# Altium PCB CF_PCB.PcbDoc (part 2 of 2)
Units mil, origin at the board's own origin, x right, y up, seen from the top; angles counter-clockwise.
Board outline 2995 x 2700 mil, 10 copper layers (S1, GND1, S2, GND2, 1V8, SplittedPower, GND3, S3, GND4, S4), stack 61 mil thick; 201 components, 133 nets, 1054 pads, 599 vias.
Unrouted connection lines stored in the file: 125.
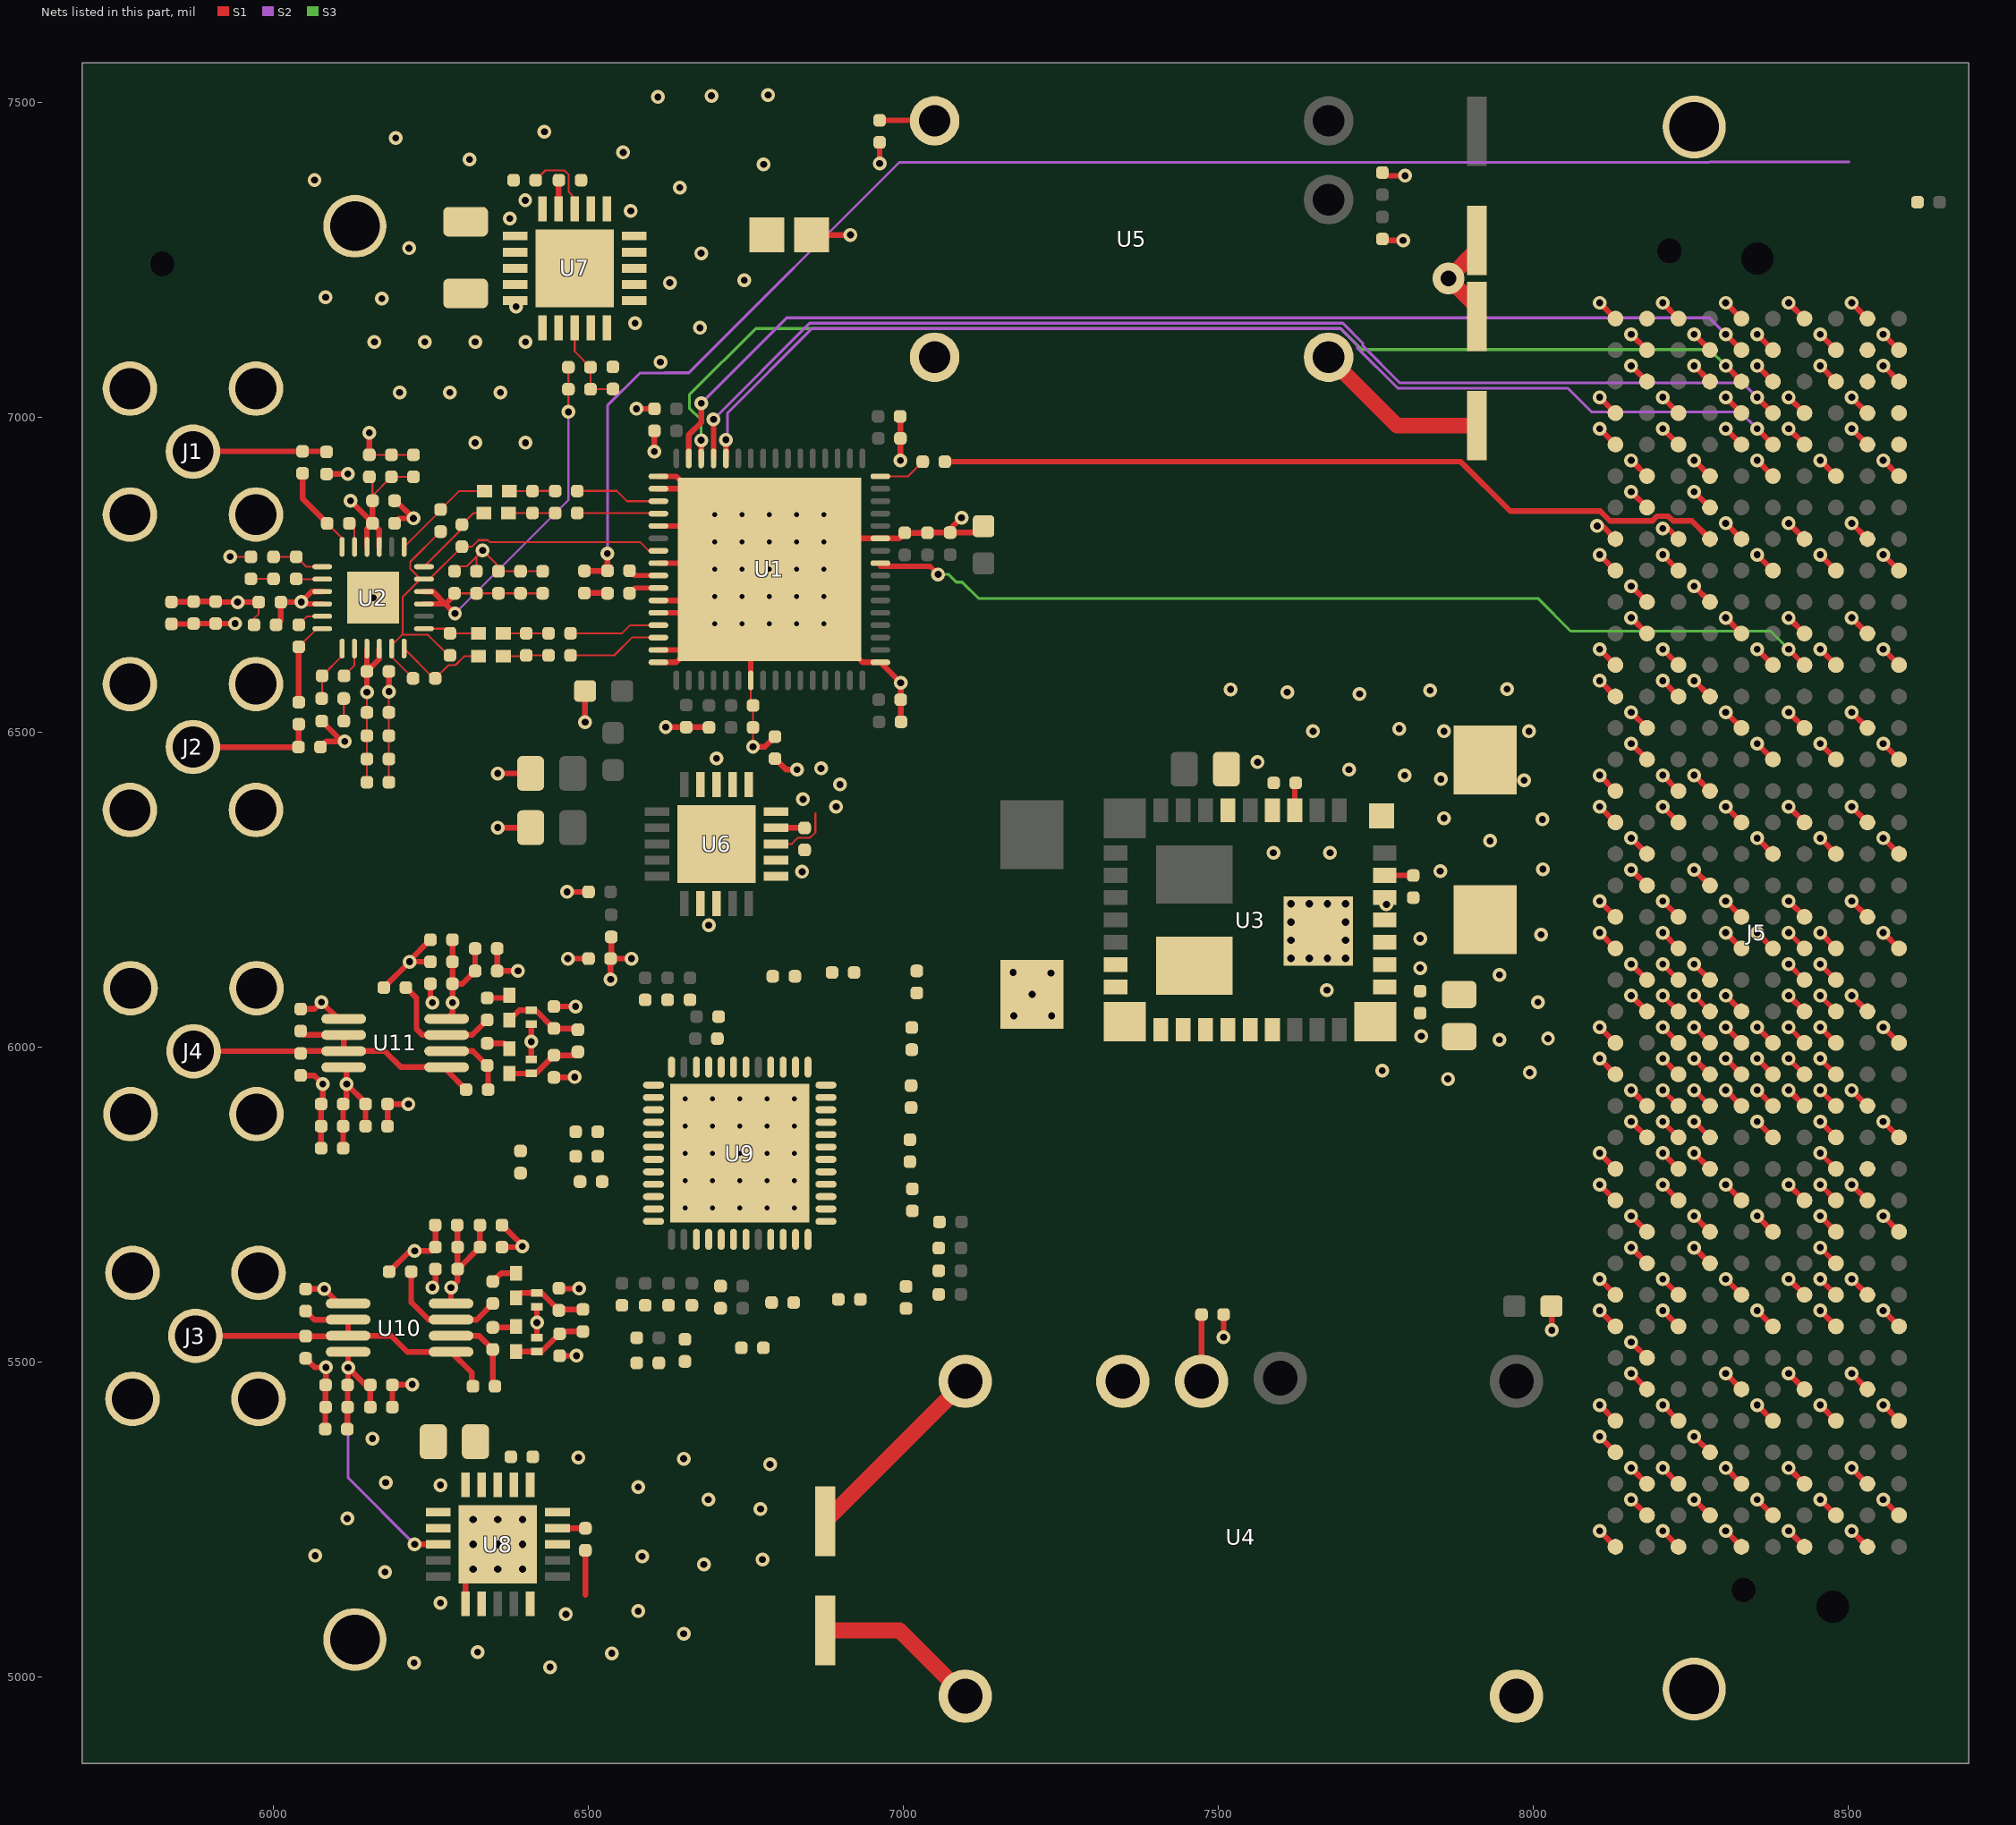
[diagram p10: the nets of this part, all layers, seen from the top]

## Via types
v1: diameter 22, hole 11, S1 to S4, 505 vias
v2: diameter 19.68, hole 7.87, S1 to S4, 54 vias
v3: diameter 19.68, hole 11.81, S1 to S4, 39 vias
v4: diameter 50, hole 25, S1 to S4, 1 vias

## Nets (pads, with @x,y where several pads share a name; then routed paths per layer and width w, separated by ;. In a path a pad name is that pad's centre, name@x,y a point inside that pad or via, vN(x,y) a via of type N, cw(c..) or ccw(c..) an arc to the next point about the centre after c; other vN are vias at no path point) (continued)
ADC_DCLK_P: J5.g12 U1.57 | length 1536.7
  S1 w8: U1.57@6963.18,6768.84 6963.18,6764 7042,6764 v1(7055,6751) ; v1(8405.05,6632.21) J5.g12@8430.05,6607.21
  S3 w4.5: v1(7055,6751) 7071.6,6751 7083.85,6738.75 7093.25,6738.75 7119,6713 8007,6713 8059,6661 8376.27,6661 v1(8405.05,6632.21)
ADC_IN0_N: L2.2 R4.2 R8.1 | length 74
  S1 w3: L2.2@6373,6848.5 R8.1@6411,6848.5 R4.2@6447,6848.5
ADC_IN0_P: L1.2 R3.2 R8.2 | length 73
  S1 w3: L1.2@6374.25,6883 6410.5,6883 R8.2@6411,6883.5 R3.2@6447,6883.5
ADC_IN1_N: L4.2 R6.2 R15.1 | length 72.4
  S1 w3: L4.2@6364.69,6621 6399.5,6621 R15.1@6401,6622.5 R6.2@6436.5,6622.5
ADC_IN1_P: L3.2 R5.2 R15.2 | length 71.8
  S1 w3: L3.2@6364.69,6657.5 R15.2@6401,6657.5 R5.2@6436.5,6657.5
ADC_VCOM: C23.1 C24.2 C25.1 C26.2 U1.23 U2.11 U2.17 | length 792.9
  S1 w3: C26.2@6221.5,6586 6187.53,6619.97 U2.11@6187.53,6633.29 6187.53,6638.76 6203.76,6655 ; C23.1@6265,6819 6217,6771 6217,6759.76 U2.17@6233.24,6743.53 ; C25.1@6280,6622.5 6277.5,6622.5 6245,6655 6203.76,6655 ; U1.23@6610.82,6788.53 6595,6788.53 6595,6788.97 6581.47,6802.5 6343.03,6802.5 6340.03,6805.5 6325.17,6805.5 6314.67,6795 C24.2@6299,6795 6247.53,6743.53 U2.17@6238.71,6743.53 U2.17@6233.24,6743.53 ; 6203.76,6655 6204.84,6656.07 6204.84,6715.13 U2.17@6233.24,6743.53
AVDD33: C74.2 C75.2 C76.2 L7.1 U9.37 U9.40 U9.45 U9.48 | length 100.9
  S1 w9: v1(6535,6108) C76.2@6535,6141 ; L7.1@6536,6175.5 6536,6142 C76.2@6535,6141 ; v1(6568,6141) C76.2@6535,6141
CDCE_CLK_200M_N: C2.1 U1.26 | length 49.3
  S1 w8: C2.1@6565,6721 6573.47,6729.47 U1.26@6610.82,6729.47
CDCE_CLK_200M_P: C1.1 U1.25 | length 49.1
  S1 w8: C1.1@6565,6757 6572.84,6749.16 U1.25@6610.82,6749.16
DAC_D0_N: J5.c23 R30.1 U9.28 | length 35.4
  S1 w8: v1(8205.05,6082.21) J5.c23@8230.05,6057.21
DAC_D0_P: J5.c22 R30.2 U9.27 | length 35.4
  S1 w8: v1(8205.05,6132.21) J5.c22@8230.05,6107.21
DAC_D1_N: J5.h23 R31.1 U9.26 | length 35.4
  S1 w8: v1(8455.05,6082.21) J5.h23@8480.05,6057.21
DAC_D1_P: J5.h22 R31.2 U9.25 | length 35.4
  S1 w8: v1(8455.05,6132.21) J5.h22@8480.05,6107.21
DAC_D2_N: J5.g22 R32.1 U9.24 | length 35.4
  S1 w8: v1(8405.05,6132.21) J5.g22@8430.05,6107.21
DAC_D2_P: J5.g21 R32.2 U9.23 | length 35.4
  S1 w8: v1(8405.05,6182.21) J5.g21@8430.05,6157.21
DAC_D3_N: J5.h26 R33.1 U9.22 | length 35.4
  S1 w8: v1(8455.05,5932.21) J5.h26@8480.05,5907.21
DAC_D3_P: J5.h25 R33.2 U9.21 | length 35.4
  S1 w8: v1(8455.05,5982.21) J5.h25@8480.05,5957.21
DAC_D4_N: J5.g25 R35.1 U9.16 | length 35.4
  S1 w8: v1(8405.05,5982.21) J5.g25@8430.05,5957.21
DAC_D4_P: J5.g24 R35.2 U9.15 | length 35.4
  S1 w8: v1(8405.05,6032.21) J5.g24@8430.05,6007.21
DAC_D5_N: J5.d24 R36.1 U9.14 | length 35.4
  S1 w8: v1(8255.05,6032.21) J5.d24@8280.05,6007.21
DAC_D5_P: J5.d23 R36.2 U9.13 | length 35.4
  S1 w8: v1(8255.05,6082.21) J5.d23@8280.05,6057.21
DAC_D6_N: J5.h29 R40.1 U9.12 | length 35.4
  S1 w8: v1(8455.05,5782.21) J5.h29@8480.05,5757.21
DAC_D6_P: J5.h28 R40.2 U9.11 | length 35.4
  S1 w8: v1(8455.05,5832.21) J5.h28@8480.05,5807.21
DAC_D7_N: J5.d27 R42.1 U9.10 | length 35.4
  S1 w8: v1(8255.05,5882.21) J5.d27@8280.05,5857.21
DAC_D7_P: J5.d26 R42.2 U9.9 | length 35.4
  S1 w8: v1(8255.05,5932.21) J5.d26@8280.05,5907.21
DAC_DCI_N: J5.c27 R43.1 U9.18 | length 35.4
  S1 w8: v1(8205.05,5882.21) J5.c27@8230.05,5857.21
DAC_DCI_P: J5.c26 R43.2 U9.17 | length 35.4
  S1 w8: v1(8205.05,5932.21) J5.c26@8230.05,5907.21
DAC_FRAME_N: J5.h32 R46.1 U9.20 | length 35.4
  S1 w8: v1(8455.05,5632.21) J5.h32@8480.05,5607.21
DAC_FRAME_P: J5.h31 R46.2 U9.19 | length 35.4
  S1 w8: v1(8455.05,5682.21) J5.h31@8480.05,5657.21
DAC_OUT0_N: C103.1 L9.1 R34.1 R54.1 U9.46 | length 121.2
  S1 w9: L9.1@6385,5602.31 6392.68,5610 C103.1@6418,5610 6425.5,5610 R54.1@6453,5582.5 6454.5,5584 R34.1@6491,5584
DAC_OUT0_P: C102.2 L8.1 R34.2 R52.2 U9.47 | length 119.4
  S1 w9: L8.1@6385,5517.31 6417.69,5517.31 C102.2@6418,5517 6425.5,5517 R52.2@6454,5545.5 6457.5,5549 R34.2@6491,5549
DAC_OUT1_N: C105.1 L11.1 R41.1 R62.1 U9.39 | length 128
  S1 w9: L11.1@6374.25,6043.5 6389.75,6059 C105.1@6409,6059 6416,6059 R62.1@6445,6030 6481,6030 R41.1@6483,6028
DAC_OUT1_P: C104.2 L10.1 R41.2 R60.2 U9.38 | length 123
  S1 w9: L10.1@6374.25,5958.63 C104.2@6409,5958.63 6416.13,5958.63 R60.2@6445,5987.5 6477.5,5987.5 R41.2@6483,5993
GND: C3.1 C4.1 C5.1 C6.1 C7.1 C8.1 C9.1 C10.1 C11.1 C12.1 C13.1 C14.1 C15.1 C16.1 C17.1 C18.1 C19.1 C20.1 C21.1 C22.1 C27.1 C28.1 C29.1 C30.1 C31.1 C32.1 C34.1 C35.1 C36.1 C37.1 C38.1 C39.1 C40.1 C41.1 C42.1 C43.1 C44.2 C45.1 C46.1 C47.1 C48.1 C49.2 C50.1 C51.1 C52.1 C53.1 C54.2 C55.1 C56.1 C57.1 C58.1 C60.1 C61.1 C62.1 C63.1 C64.1 C65.1 C66.1 C67.1 C68.1 C69.1 C70.1 C71.1 C72.1 C73.1 C74.1 C75.1 C76.1 C77.1 C78.1 C79.1 C80.1 C81.1 C82.1 C83.1 C84.1 C85.1 C86.1 C87.1 C88.1 C89.1 C90.1 C91.1 C92.1 C93.1 C94.1 C95.1 C96.1 C97.1 C98.1 C99.1 C100.1 C101.1 C102.1 C103.2 C104.1 C105.2 J1.2 J1.3 J1.4 J1.5 J2.2 J2.3 J2.4 J2.5 J3.2 J3.3 J3.4 J3.5 J4.2 J4.3 J4.4 J4.5 J5.a1 J5.a4 J5.a5 J5.a8 J5.a9 J5.a12 J5.a13 J5.a16 J5.a17 J5.a20 J5.a21 J5.a24 J5.a25 J5.a28 J5.a29 J5.a32 J5.a33 J5.a36 J5.a37 J5.a40 J5.b2 J5.b3 J5.b6 J5.b7 J5.b10 J5.b11 J5.b14 J5.b15 J5.b18 J5.b19 J5.b22 J5.b23 J5.b26 J5.b27 J5.b30 J5.b31 J5.b34 J5.b35 J5.b38 J5.b39 J5.c1 J5.c4 J5.c5 J5.c8 J5.c9 J5.c12 J5.c13 J5.c16 J5.c17 J5.c20 J5.c21 J5.c24 J5.c25 J5.c28 J5.c29 J5.c32 J5.c33 J5.c36 J5.c38 J5.c40 J5.d2 J5.d3 J5.d6 J5.d7 J5.d10 J5.d13 J5.d16 J5.d19 J5.d22 J5.d25 J5.d28 J5.d37 J5.d39 J5.e1 J5.e4 J5.e5 J5.e8 J5.e11 J5.e14 J5.e17 J5.e20 J5.e23 J5.e26 J5.e29 J5.e32 J5.e35 J5.e38 J5.e40 J5.f2 J5.f3 J5.f6 J5.f9 J5.f12 J5.f15 J5.f18 J5.f21 J5.f24 J5.f27 J5.f30 J5.f33 J5.f36 J5.f39 J5.g1 J5.g4 J5.g5 J5.g8 J5.g11 J5.g14 J5.g17 J5.g20 J5.g23 J5.g26 J5.g29 J5.g32 J5.g35 J5.g38 J5.g40 J5.h2 J5.h3 J5.h6 J5.h9 J5.h12 J5.h15 J5.h18 J5.h21 J5.h24 J5.h27 J5.h30 J5.h33 J5.h36 J5.h39 J5.j1 J5.j4 J5.j5 J5.j8 J5.j11 J5.j14 J5.j17 J5.j20 J5.j23 J5.j26 J5.j29 J5.j32 J5.j35 J5.j38 J5.j40 J5.k2 J5.k3 J5.k6 J5.k9 J5.k12 J5.k15 J5.k18 J5.k21 J5.k24 J5.k27 J5.k30 J5.k33 J5.k36 J5.k39 MH1.1 MH2.1 MH3.1 MH4.1 R11.1 R13.1 R18.1 R20.1 R21.1 R22.1 R25.1 R26.2 R29.1 R44.1 R49.1 R52.1 R53.1 R54.2 R55.1 R57.1 R60.1 R61.1 R62.2 R63.1 R65.1 U1.17 U1.18 U1.21 U1.24 U1.27 U1.28 U1.31 U1.32 U1.39 U1.49 U1.59 U1.PAD U2.PAD U3.1 U3.5 U3.7 U3.29 U3.33 U3.34 U3.37 U4.1 U4.7 U5.5 U6.6@6703,6323 U6.7 U6.8 U6.11 U6.12 U6.17 U6.18 U6.19 U7.4 U7.5 U7.6 U7.7 U7.8 U7.9 U7.10 U7.11 U7.12 U7.17 U7.18 U8.6 U8.7 U8.10 U8.17 U8.18 U8.19 U9.5 U9.41 U9.44 U9.PAD U10.5 U11.5 | length 11215.7
  S1 w3: v1(5931,6779) R13.1@5964,6779 ; C6.1@5969,6671 5969,6681 5976.5,6688.5 C7.1@5976.5,6707 ; C10.1@6152,6941 C9.1@6187,6941 C8.1@6222,6941 ; C13.1@6183.16,6421 C14.1@6183.16,6458 C15.1@6183.16,6495 C16.1@6183.16,6532 v1(6183.16,6565) ; C22.1@6287,6756 6295,6764 6307,6764 6322,6779 ; C21.1@6322,6756 6322,6779 ; C18.1@6427,6756 C19.1@6392,6756 6365,6756 v1(6332,6789) 6322,6779 ; U1.39@6757.47,6582.82 6757.47,6546.72 C41.1@6761.19,6543 6761.19,6508.19 C40.1@6761,6508 v1(6761,6477.19)
  S1 w9: C3.1@5838,6707.39 5872.39,6707.39 C4.1@5873,6708 C5.1@5908,6708 5909,6707 v1(5943,6707) C7.1@5976.5,6707 ; R63.1@6043,5955.5 6064.5,5955.5 v1(6078,5942) 6078,5912.5 C96.1@6075.5,5910 C94.1@6075.5,5875 C92.1@6075.5,5840 ; R61.1@6043,6061 6065,6061 v1(6076,6072) 6102.61,6045.39 U11.5@6111.31,6045.39 ; R55.1@6051,5506.5 6065.5,5492 v1(6083,5492) 6083,5464.5 C86.1@6082.5,5464 6082.5,5429.1 6082,5428.6 C83.1@6082,5394 ; R53.1@6051,5616.5 v1(6080.5,5616.5) 6103.61,5593.39 U10.5@6118.31,5593.39 ; R18.1@6074.5,6477 6083.5,6486 v1@6108.47,6486 ; R20.1@6076.47,6518 v1@6108.47,6486 ; R11.1@6084,6910.5 v1(6118,6910.5) ; v1(6113,6486) v1@6108.47,6486 ; C10.1@6152,6941 v1(6152,6976) ; R65.1@6175,6095 v1(6216,6136) ; C93.1@6181,5875 C95.1@6181,5910 v1(6214,5910) ; v1(6183.16,6565) C17.1@6183.16,6597 ; R57.1@6183.5,5644 6216.5,5677 v1(6224,5677) 6251,5677 C90.1@6257,5683 C88.1@6257,5718 ; C82.1@6188.5,5429 C85.1@6188.5,5464 6189.31,5464.81 v1(6220,5464.81) ; C12.1@6192,6832.21 6199.79,6840 v1(6222,6840) 6194,6868 C11.1@6192,6868 ; C101.1@6249,6101 6249,6074 v1(6252,6071) ; C99.1@6249,6136 v1(6216,6136) ; C97.1@6249,6171 6216,6138 v1(6216,6136) ; v1(6252,5619) 6257,5624 C91.1@6257,5648 ; U8.6@6304.82,5116.51 6304.82,5159.82 v3(6316.63,5171.63) ; U8.6@6330.41,5157.85 v3(6316.63,5171.63) ; C98.1@6355,6157 C100.1@6355,6121.5 v1(6388,6121.5) ; v1(6356,6349) C27.1@6408,6349 ; v1(6356,6435) C57.1@6408,6435 ; C89.1@6362.5,5683 6394,5683 6394,5686.5 C87.1@6362.5,5718 ; U8.6@6407.18,5159.82 v3(6395.37,5171.63) v3(6356,5211) v3(6316.63,5171.63) ; C104.1@6409,5980.63 v1(6409,6009) C105.2@6409,6037 ; C102.1@6418,5539 v1(6418,5563) C103.2@6418,5588 ; R60.1@6445,5952.5 6477.5,5952.5 v1(6478,5953) ; R62.2@6445,6065 v1(6479.5,6065) ; R54.2@6453,5617.5 6453.5,5617 v1(6485,5617) ; R52.1@6454,5510.5 v1(6481,5510.5) ; v1(6466,6247) C73.1@6500,6247 ; v1(6467,6141) C76.1@6500,6141 ; v1(6494.5,6516.5) C28.1@6494.5,6566 ; 6495,5131 C63.1@6495,5201.59 ; v1(6576,7014) C29.1@6604.5,7014 ; v1(6604.5,6946) C30.1@6604.5,6979 ; U1.32@6610.82,6611.36 6639.36,6611.36 U1.PAD@6659.05,6631.05 ; U1.31@6610.82,6631.05 U1.PAD@6659.05,6631.05 ; U1.28@6610.82,6690.1 U1.PAD@6718.1,6690.1 ; U1.27@6610.82,6709.79 U1.PAD@6737.79,6709.79 ; U1.24@6610.82,6768.84 U1.PAD@6777.16,6768.84 ; U1.21@6610.82,6827.9 U1.PAD@6718.1,6827.9 ; U1.18@6610.82,6886.95 U1.PAD@6659.05,6886.95 ; U1.17@6610.82,6906.64 6639.36,6906.64 U1.PAD@6659.05,6886.95 ; v1(6622.5,6508.5) C32.1@6655.05,6508.5 6690.55,6508.5 C31.1@6691.05,6508 ; U1.39@6757.47,6582.82 U1.PAD@6757.47,6729.47 ; v1(6761,6477.19) 6779.69,6477.19 C55.1@6796,6493.5 ; C42.1@6994.5,7002 6995,7001.5 C43.1@6995,6967 v1(6995,6932) ; v1(6995.5,6579.04) C38.1@6995.5,6552 6995.5,6517.5 C39.1@6996,6517 ; v1@6995.5,6579.08 U1.49@6963.18,6611.36 6934.64,6611.36 v2(6873.61,6672.39) v2(6830.31,6715.69) v2(6787,6759) ; v1(7092,6841) 7074,6823 C35.1@7074,6817.5 ; C34.1@7127,6827.5 7117,6817.5 C35.1@7074,6817.5 ; v1(7508,5540) R25.1@7508,5576 ; C53.1@7760,7283.5 7758.5,7282 7759.11,7281.39 v1(7793,7281.39) ; C52.1@7760,7389 7765,7384 v1(7796,7384) ; v1(8029,5551) C50.1@8029,5593 ; v1(8101,6828) 8109.27,6828 J5.a8@8130.05,6807.21 ; v1(8105.05,5232.21) J5.a40@8130.05,5207.21 ; v1(8105.05,5382.21) J5.a37@8130.05,5357.21 ; v1(8105.05,5432.21) J5.a36@8130.05,5407.21 ; v1(8105.05,5582.21) J5.a33@8130.05,5557.21 ; v1(8105.05,5632.21) J5.a32@8130.05,5607.21 ; v1(8105.05,5782.21) J5.a29@8130.05,5757.21 ; v1(8105.05,5832.21) J5.a28@8130.05,5807.21 ; v1(8105.05,5982.21) J5.a25@8130.05,5957.21 ; v1(8105.05,6032.21) J5.a24@8130.05,6007.21 ; v1(8105.05,6182.21) J5.a21@8130.05,6157.21 ; v1(8105.05,6232.21) J5.a20@8130.05,6207.21 ; v1(8105.05,6382.21) J5.a17@8130.05,6357.21 ; v1(8105.05,6432.21) J5.a16@8130.05,6407.21 ; v1(8105.05,6582.21) J5.a13@8130.05,6557.21 ; v1(8105.05,6632.21) J5.a12@8130.05,6607.21 ; v1(8105.05,6782.21) J5.a9@8130.05,6757.21 ; v1(8105.05,6982.21) J5.a5@8130.05,6957.21 ; v1(8105.05,7032.21) J5.a4@8130.05,7007.21 ; v1(8105.05,7182.21) J5.a1@8130.05,7157.21 ; v1(8155.05,5282.21) J5.b39@8180.05,5257.21 ; v1(8155.05,5332.21) J5.b38@8180.05,5307.21 ; v1(8155.05,5482.21) J5.b35@8180.05,5457.21 ; v1(8155.05,5532.21) J5.b34@8180.05,5507.21 ; v1(8155.05,5682.21) J5.b31@8180.05,5657.21 ; v1(8155.05,5732.21) J5.b30@8180.05,5707.21 ; v1(8155.05,5882.21) J5.b27@8180.05,5857.21 ; v1(8155.05,5932.21) J5.b26@8180.05,5907.21 ; v1(8155.05,6082.21) J5.b23@8180.05,6057.21 ; v1(8155.05,6132.21) J5.b22@8180.05,6107.21 ; v1(8155.05,6282.21) J5.b19@8180.05,6257.21 ; v1(8155.05,6332.21) J5.b18@8180.05,6307.21 ; v1(8155.05,6482.21) J5.b15@8180.05,6457.21 ; v1(8155.05,6532.21) J5.b14@8180.05,6507.21 ; v1(8155.05,6682.21) J5.b11@8180.05,6657.21 ; v1(8155.05,6732.21) J5.b10@8180.05,6707.21 ; v1(8155.05,6882.21) J5.b7@8180.05,6857.21 ; v1(8155.05,6932.21) J5.b6@8180.05,6907.21 ; v1(8155.05,7082.21) J5.b3@8180.05,7057.21 ; v1(8155.05,7132.21) J5.b2@8180.05,7107.21 ; v1(8205,6824) 8205.27,6824 8209.27,6828 J5.c8@8230.05,6807.21 ; v1(8205.05,5232.21) J5.c40@8230.05,5207.21 ; v1(8205.05,5332.21) J5.c38@8230.05,5307.21 ; v1(8205.05,5432.21) J5.c36@8230.05,5407.21 ; v1(8205.05,5582.21) J5.c33@8230.05,5557.21 ; v1(8205.05,5632.21) J5.c32@8230.05,5607.21 ; v1(8205.05,5782.21) J5.c29@8230.05,5757.21 ; v1(8205.05,5832.21) J5.c28@8230.05,5807.21 ; v1(8205.05,5982.21) J5.c25@8230.05,5957.21 ; v1(8205.05,6032.21) J5.c24@8230.05,6007.21 ; v1(8205.05,6182.21) J5.c21@8230.05,6157.21 ; v1(8205.05,6232.21) J5.c20@8230.05,6207.21 ; v1(8205.05,6382.21) J5.c17@8230.05,6357.21 ; v1(8205.05,6432.21) J5.c16@8230.05,6407.21 ; v1(8205.05,6582.21) J5.c13@8230.05,6557.21 ; v1(8205.05,6632.21) J5.c12@8230.05,6607.21 ; v1(8205.05,6782.21) J5.c9@8230.05,6757.21 ; v1(8205.05,6982.21) J5.c5@8230.05,6957.21 ; v1(8205.05,7032.21) J5.c4@8230.05,7007.21 ; v1(8205.05,7182.21) J5.c1@8230.05,7157.21 ; v1(8255.05,5282.21) J5.d39@8280.05,5257.21 ; v1(8255.05,5382.21) J5.d37@8280.05,5357.21 ; v1(8255.05,5832.21) J5.d28@8280.05,5807.21 ; v1(8255.05,5982.21) J5.d25@8280.05,5957.21 ; v1(8255.05,6132.21) J5.d22@8280.05,6107.21 ; v1(8255.05,6282.21) J5.d19@8280.05,6257.21 ; v1(8255.05,6432.21) J5.d16@8280.05,6407.21 ; v1(8255.05,6582.21) J5.d13@8280.05,6557.21 ; v1(8255.05,6732.21) J5.d10@8280.05,6707.21 ; v1(8255.05,6882.21) J5.d7@8280.05,6857.21 ; v1(8255.05,6932.21) J5.d6@8280.05,6907.21 ; v1(8255.05,7082.21) J5.d3@8280.05,7057.21 ; v1(8255.05,7132.21) J5.d2@8280.05,7107.21 ; v1(8305.05,5232.21) J5.e40@8330.05,5207.21 ; v1(8305.05,5332.21) J5.e38@8330.05,5307.21 ; v1(8305.05,5482.21) J5.e35@8330.05,5457.21 ; v1(8305.05,5632.21) J5.e32@8330.05,5607.21 ; v1(8305.05,5782.21) J5.e29@8330.05,5757.21 ; v1(8305.05,5932.21) J5.e26@8330.05,5907.21 ; v1(8305.05,6082.21) J5.e23@8330.05,6057.21 ; v1(8305.05,6232.21) J5.e20@8330.05,6207.21 ; v1(8305.05,6382.21) J5.e17@8330.05,6357.21 ; v1(8305.05,6532.21) J5.e14@8330.05,6507.21 ; v1(8305.05,6682.21) J5.e11@8330.05,6657.21 ; v1(8305.05,6832.21) J5.e8@8330.05,6807.21 ; v1(8305.05,6982.21) J5.e5@8330.05,6957.21 ; v1(8305.05,7032.21) J5.e4@8330.05,7007.21 ; v1(8305.05,7182.21) J5.e1@8330.05,7157.21 ; v1(8355.05,5282.21) J5.f39@8380.05,5257.21 ; v1(8355.05,5432.21) J5.f36@8380.05,5407.21 ; v1(8355.05,5582.21) J5.f33@8380.05,5557.21 ; v1(8355.05,5732.21) J5.f30@8380.05,5707.21 ; v1(8355.05,5882.21) J5.f27@8380.05,5857.21 ; v1(8355.05,6032.21) J5.f24@8380.05,6007.21 ; v1(8355.05,6182.21) J5.f21@8380.05,6157.21 ; v1(8355.05,6332.21) J5.f18@8380.05,6307.21 ; v1(8355.05,6482.21) J5.f15@8380.05,6457.21 ; v1(8355.05,6632.21) J5.f12@8380.05,6607.21 ; v1(8355.05,6782.21) J5.f9@8380.05,6757.21 ; v1(8355.05,6932.21) J5.f6@8380.05,6907.21 ; v1(8355.05,7082.21) J5.f3@8380.05,7057.21 ; v1(8355.05,7132.21) J5.f2@8380.05,7107.21 ; v1(8405.05,5232.21) J5.g40@8430.05,5207.21 ; v1(8405.05,5332.21) J5.g38@8430.05,5307.21 ; v1(8405.05,5482.21) J5.g35@8430.05,5457.21 ; v1(8405.05,5632.21) J5.g32@8430.05,5607.21 ; v1(8405.05,5782.21) J5.g29@8430.05,5757.21 ; v1(8405.05,5932.21) J5.g26@8430.05,5907.21 ; v1(8405.05,6082.21) J5.g23@8430.05,6057.21 ; v1(8405.05,6232.21) J5.g20@8430.05,6207.21 ; v1(8405.05,6382.21) J5.g17@8430.05,6357.21 ; v1(8405.05,6532.21) J5.g14@8430.05,6507.21 ; v1(8405.05,6682.21) J5.g11@8430.05,6657.21 ; v1(8405.05,6832.21) J5.g8@8430.05,6807.21 ; v1(8405.05,6982.21) J5.g5@8430.05,6957.21 ; v1(8405.05,7032.21) J5.g4@8430.05,7007.21 ; v1(8405.05,7182.21) J5.g1@8430.05,7157.21 ; v1(8455.05,5282.21) J5.h39@8480.05,5257.21 ; v1(8455.05,5432.21) J5.h36@8480.05,5407.21 ; v1(8455.05,5582.21) J5.h33@8480.05,5557.21 ; v1(8455.05,5732.21) J5.h30@8480.05,5707.21 ; v1(8455.05,5882.21) J5.h27@8480.05,5857.21 ; v1(8455.05,6032.21) J5.h24@8480.05,6007.21 ; v1(8455.05,6182.21) J5.h21@8480.05,6157.21 ; v1(8455.05,6332.21) J5.h18@8480.05,6307.21 ; v1(8455.05,6482.21) J5.h15@8480.05,6457.21 ; v1(8455.05,6632.21) J5.h12@8480.05,6607.21 ; v1(8455.05,6782.21) J5.h9@8480.05,6757.21 ; v1(8455.05,6932.21) J5.h6@8480.05,6907.21 ; v1(8455.05,7082.21) J5.h3@8480.05,7057.21 ; v1(8455.05,7132.21) J5.h2@8480.05,7107.21 ; v1(8505.05,5232.21) J5.j40@8530.05,5207.21 ; v1(8505.05,5332.21) J5.j38@8530.05,5307.21 ; v1(8505.05,5482.21) J5.j35@8530.05,5457.21 ; v1(8505.05,5632.21) J5.j32@8530.05,5607.21 ; v1(8505.05,5782.21) J5.j29@8530.05,5757.21 ; v1(8505.05,5932.21) J5.j26@8530.05,5907.21 ; v1(8505.05,6082.21) J5.j23@8530.05,6057.21 ; v1(8505.05,6232.21) J5.j20@8530.05,6207.21 ; v1(8505.05,6382.21) J5.j17@8530.05,6357.21 ; v1(8505.05,6532.21) J5.j14@8530.05,6507.21 ; v1(8505.05,6682.21) J5.j11@8530.05,6657.21 ; v1(8505.05,6832.21) J5.j8@8530.05,6807.21 ; v1(8505.05,6982.21) J5.j5@8530.05,6957.21 ; v1(8505.05,7032.21) J5.j4@8530.05,7007.21 ; v1(8505.05,7182.21) J5.j1@8530.05,7157.21 ; v1(8555.05,5282.21) J5.k39@8580.05,5257.21 ; v1(8555.05,5432.21) J5.k36@8580.05,5407.21 ; v1(8555.05,5582.21) J5.k33@8580.05,5557.21 ; v1(8555.05,5732.21) J5.k30@8580.05,5707.21 ; v1(8555.05,5882.21) J5.k27@8580.05,5857.21 ; v1(8555.05,6032.21) J5.k24@8580.05,6007.21 ; v1(8555.05,6182.21) J5.k21@8580.05,6157.21 ; v1(8555.05,6332.21) J5.k18@8580.05,6307.21 ; v1(8555.05,6482.21) J5.k15@8580.05,6457.21 ; v1(8555.05,6632.21) J5.k12@8580.05,6607.21 ; v1(8555.05,6782.21) J5.k9@8580.05,6757.21 ; v1(8555.05,6932.21) J5.k6@8580.05,6907.21 ; v1(8555.05,7082.21) J5.k3@8580.05,7057.21 ; v1(8555.05,7132.21) J5.k2@8580.05,7107.21 ; U1.PAD@6659.05,6631.05 v2(6700.39,6672.39) U1.PAD@6718.1,6690.1 ; U1.PAD@6659.05,6886.95 v2(6700.39,6845.61) U1.PAD@6718.1,6827.9 ; U1.PAD@6718.1,6690.1 U1.PAD@6737.79,6709.79 ; U1.PAD@6718.1,6827.9 v2(6743.69,6802.31) U1.PAD@6777.16,6768.84 ; U1.PAD@6737.79,6709.79 v2(6743.69,6715.69) U1.PAD@6757.47,6729.47 ; U1.PAD@6757.47,6729.47 v2(6787,6759) ; U1.PAD@6777.16,6768.84 v2(6787,6759) ; v2(6787,6759) v2(6830.31,6802.31) 6836.21,6808.21 U1.59@6963.18,6808.21 6993.21,6808.21 C37.1@7002,6817 C36.1@7038,6817 7038.5,6817.5 C35.1@7074,6817.5
  S1 w25: C47.1@6875.58,5074.39 6993.61,5074.39 U4.7@7098,4970 ; C54.2@7910,7160.61 7910,7176 v4(7865,7221) 7910,7266 C51.1@7910,7281.39
  other v1: 6439,5016 6223,5023 6537,5038 6324,5040 6651,5069 6464,5100 6579,5105 6265,5118 6177,5167 6066,5193 6395,5684 7864,5950 7994,5960 7760,5963 7946,6012 8023,6014 7822,6018 7175,6050 7235,6050 7204,6084.23 7672,6091 7234,6118 7174,6119 6690.79,6194.11 7766.59,6227 6839,6279 7587,6308.89 7677,6308.89 7985,6423.9 7852.94,6426 7795.5,6432 7707,6441 7562,6453 6703,6459 7650,6502 7858,6502 7993,6502 7786.79,6506 7724,6561 7609.08,6564 7836,6567 7519,6568.5 7958,6569 6158,6714 6614,7088 6677,7142.51 6574,7150 6629,7214 6747,7218 6678.73,7261 6215,7269 6567,7328 6645,7365 6065,7377 6778,7402 6311,7410 6555,7421 6194,7444 6430,7454 6609.9,7509 6695,7511 6785,7512